# Altium PCB pdb.PcbDoc (part 1 of 3)
Units mm, origin at the board's own origin, x right, y up, seen from the top; angles counter-clockwise.
Board outline 115 x 96 mm, 4 copper layers (Top Layer, PGND, +PBAT, Bottom Layer); 275 components, 205 nets, 915 pads, 468 vias.
Unrouted connection lines stored in the file: 88.
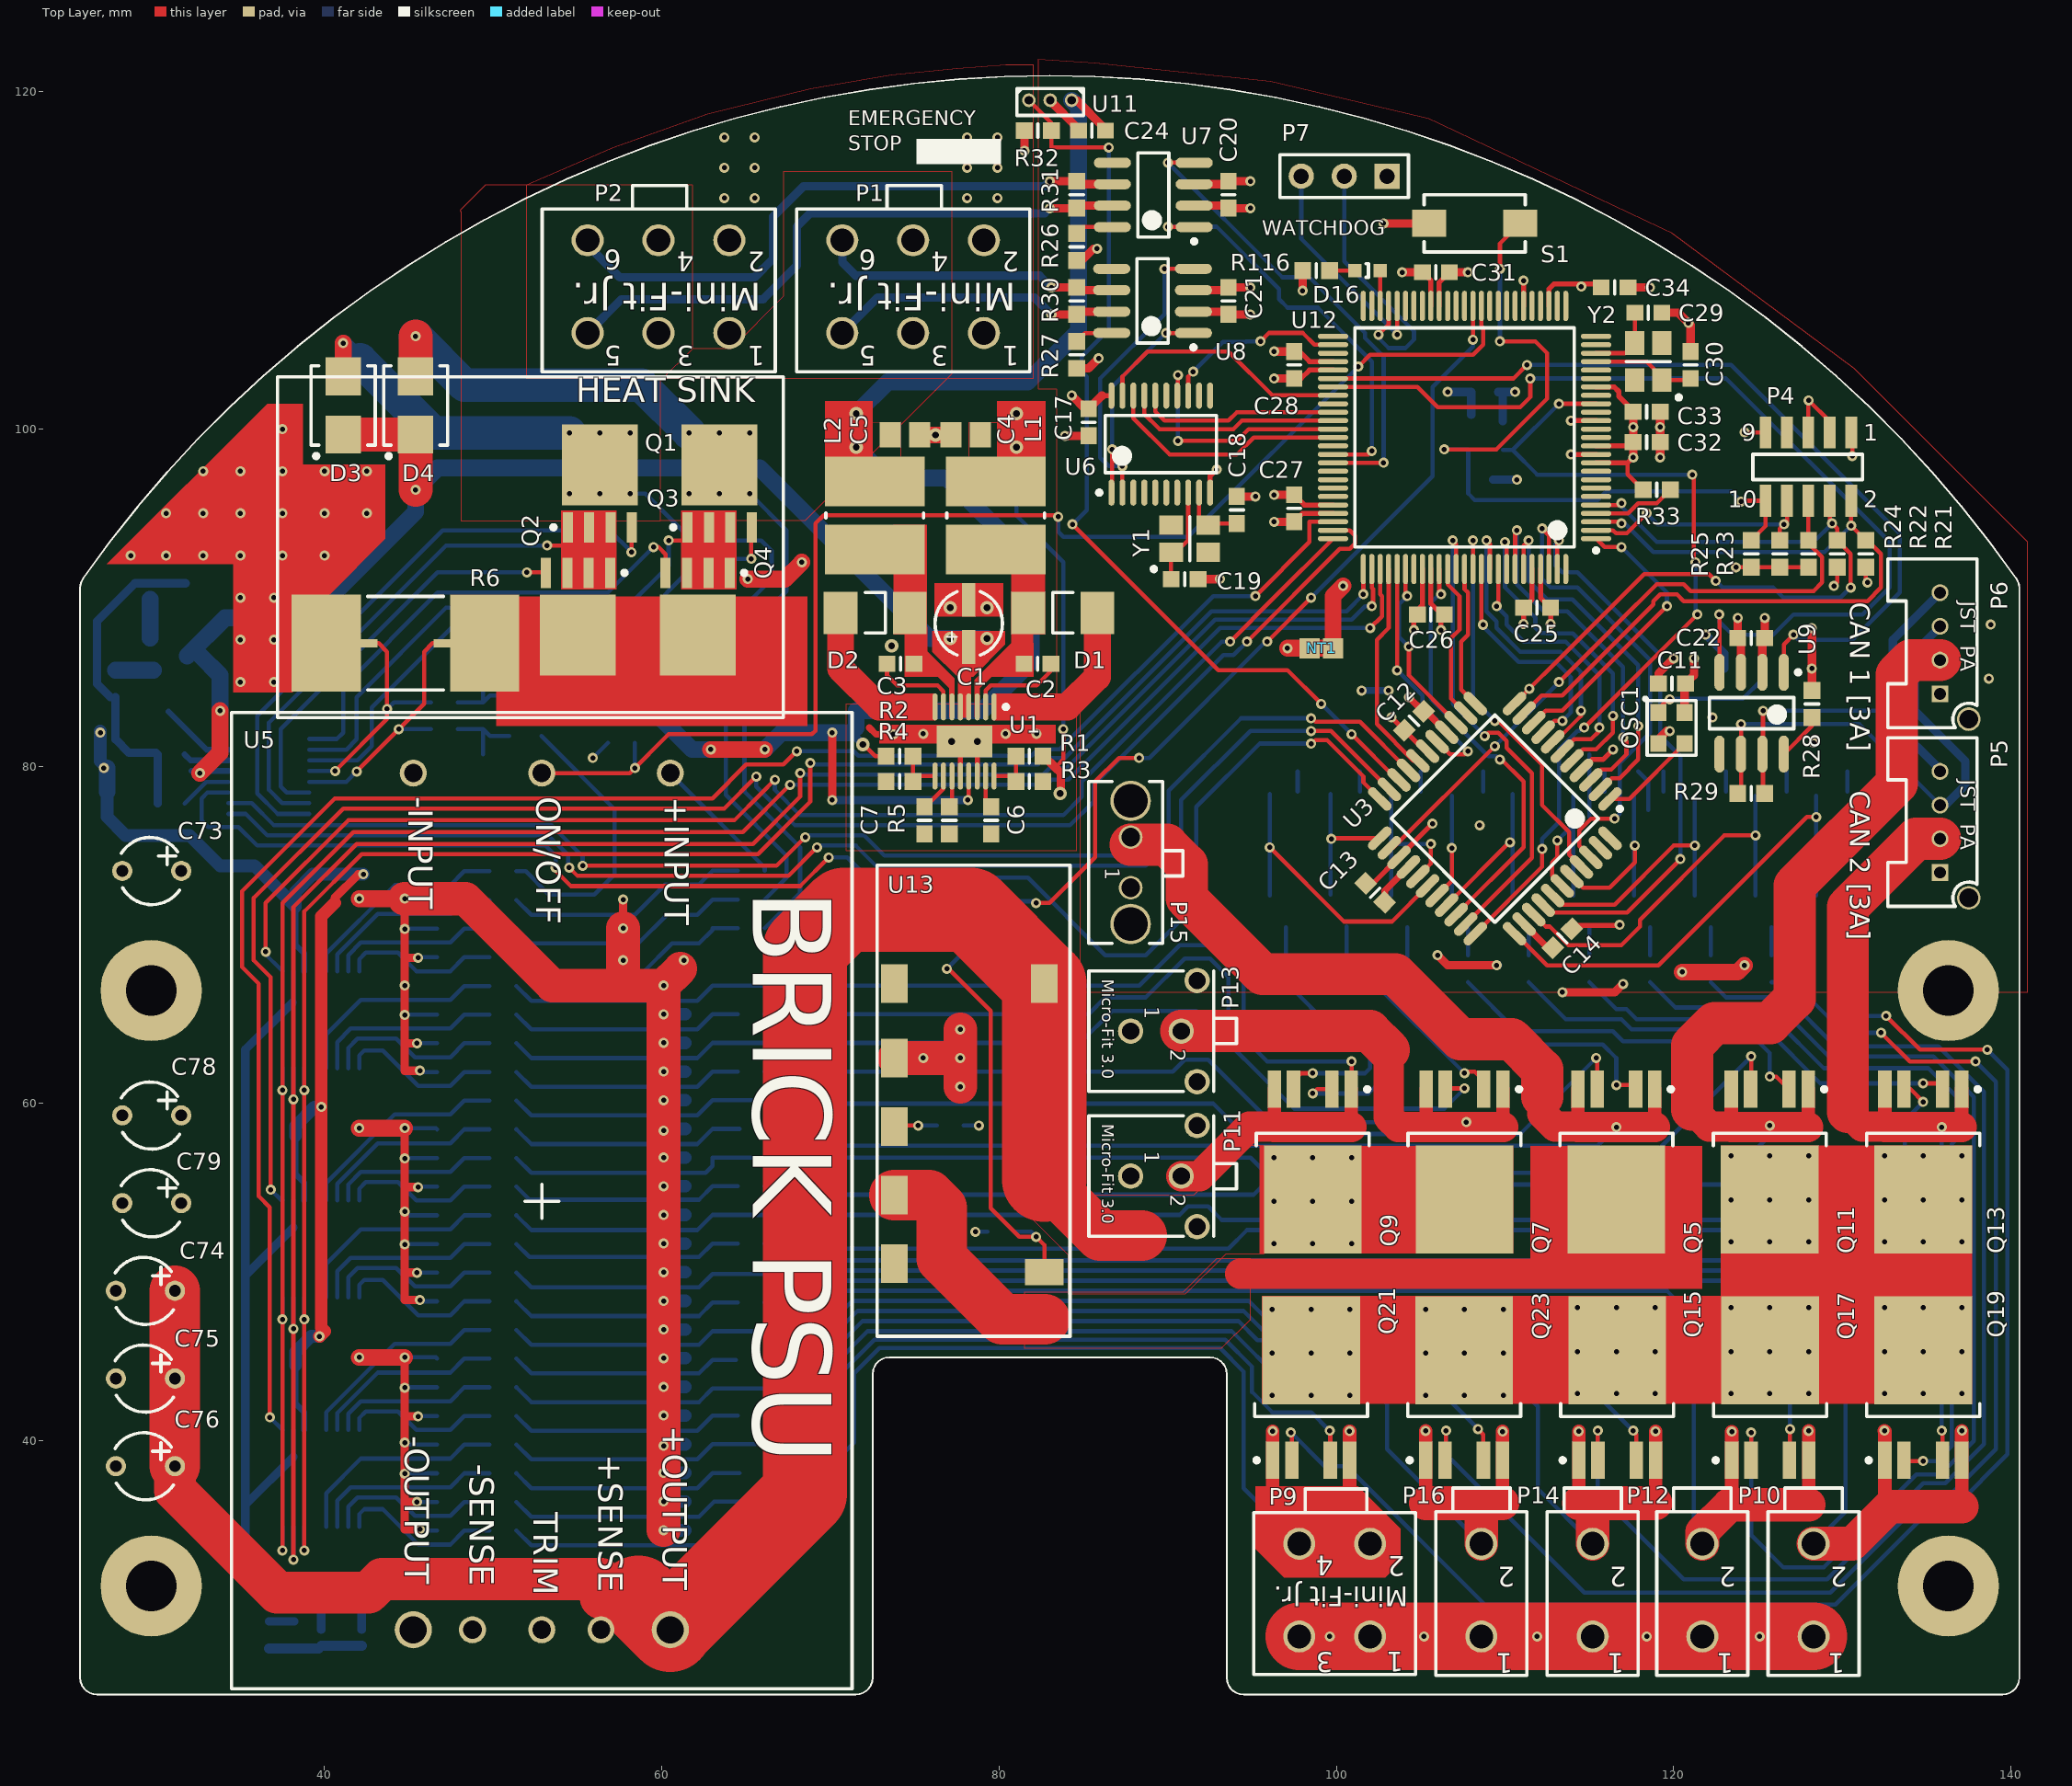
[diagram p0: Top Layer view]
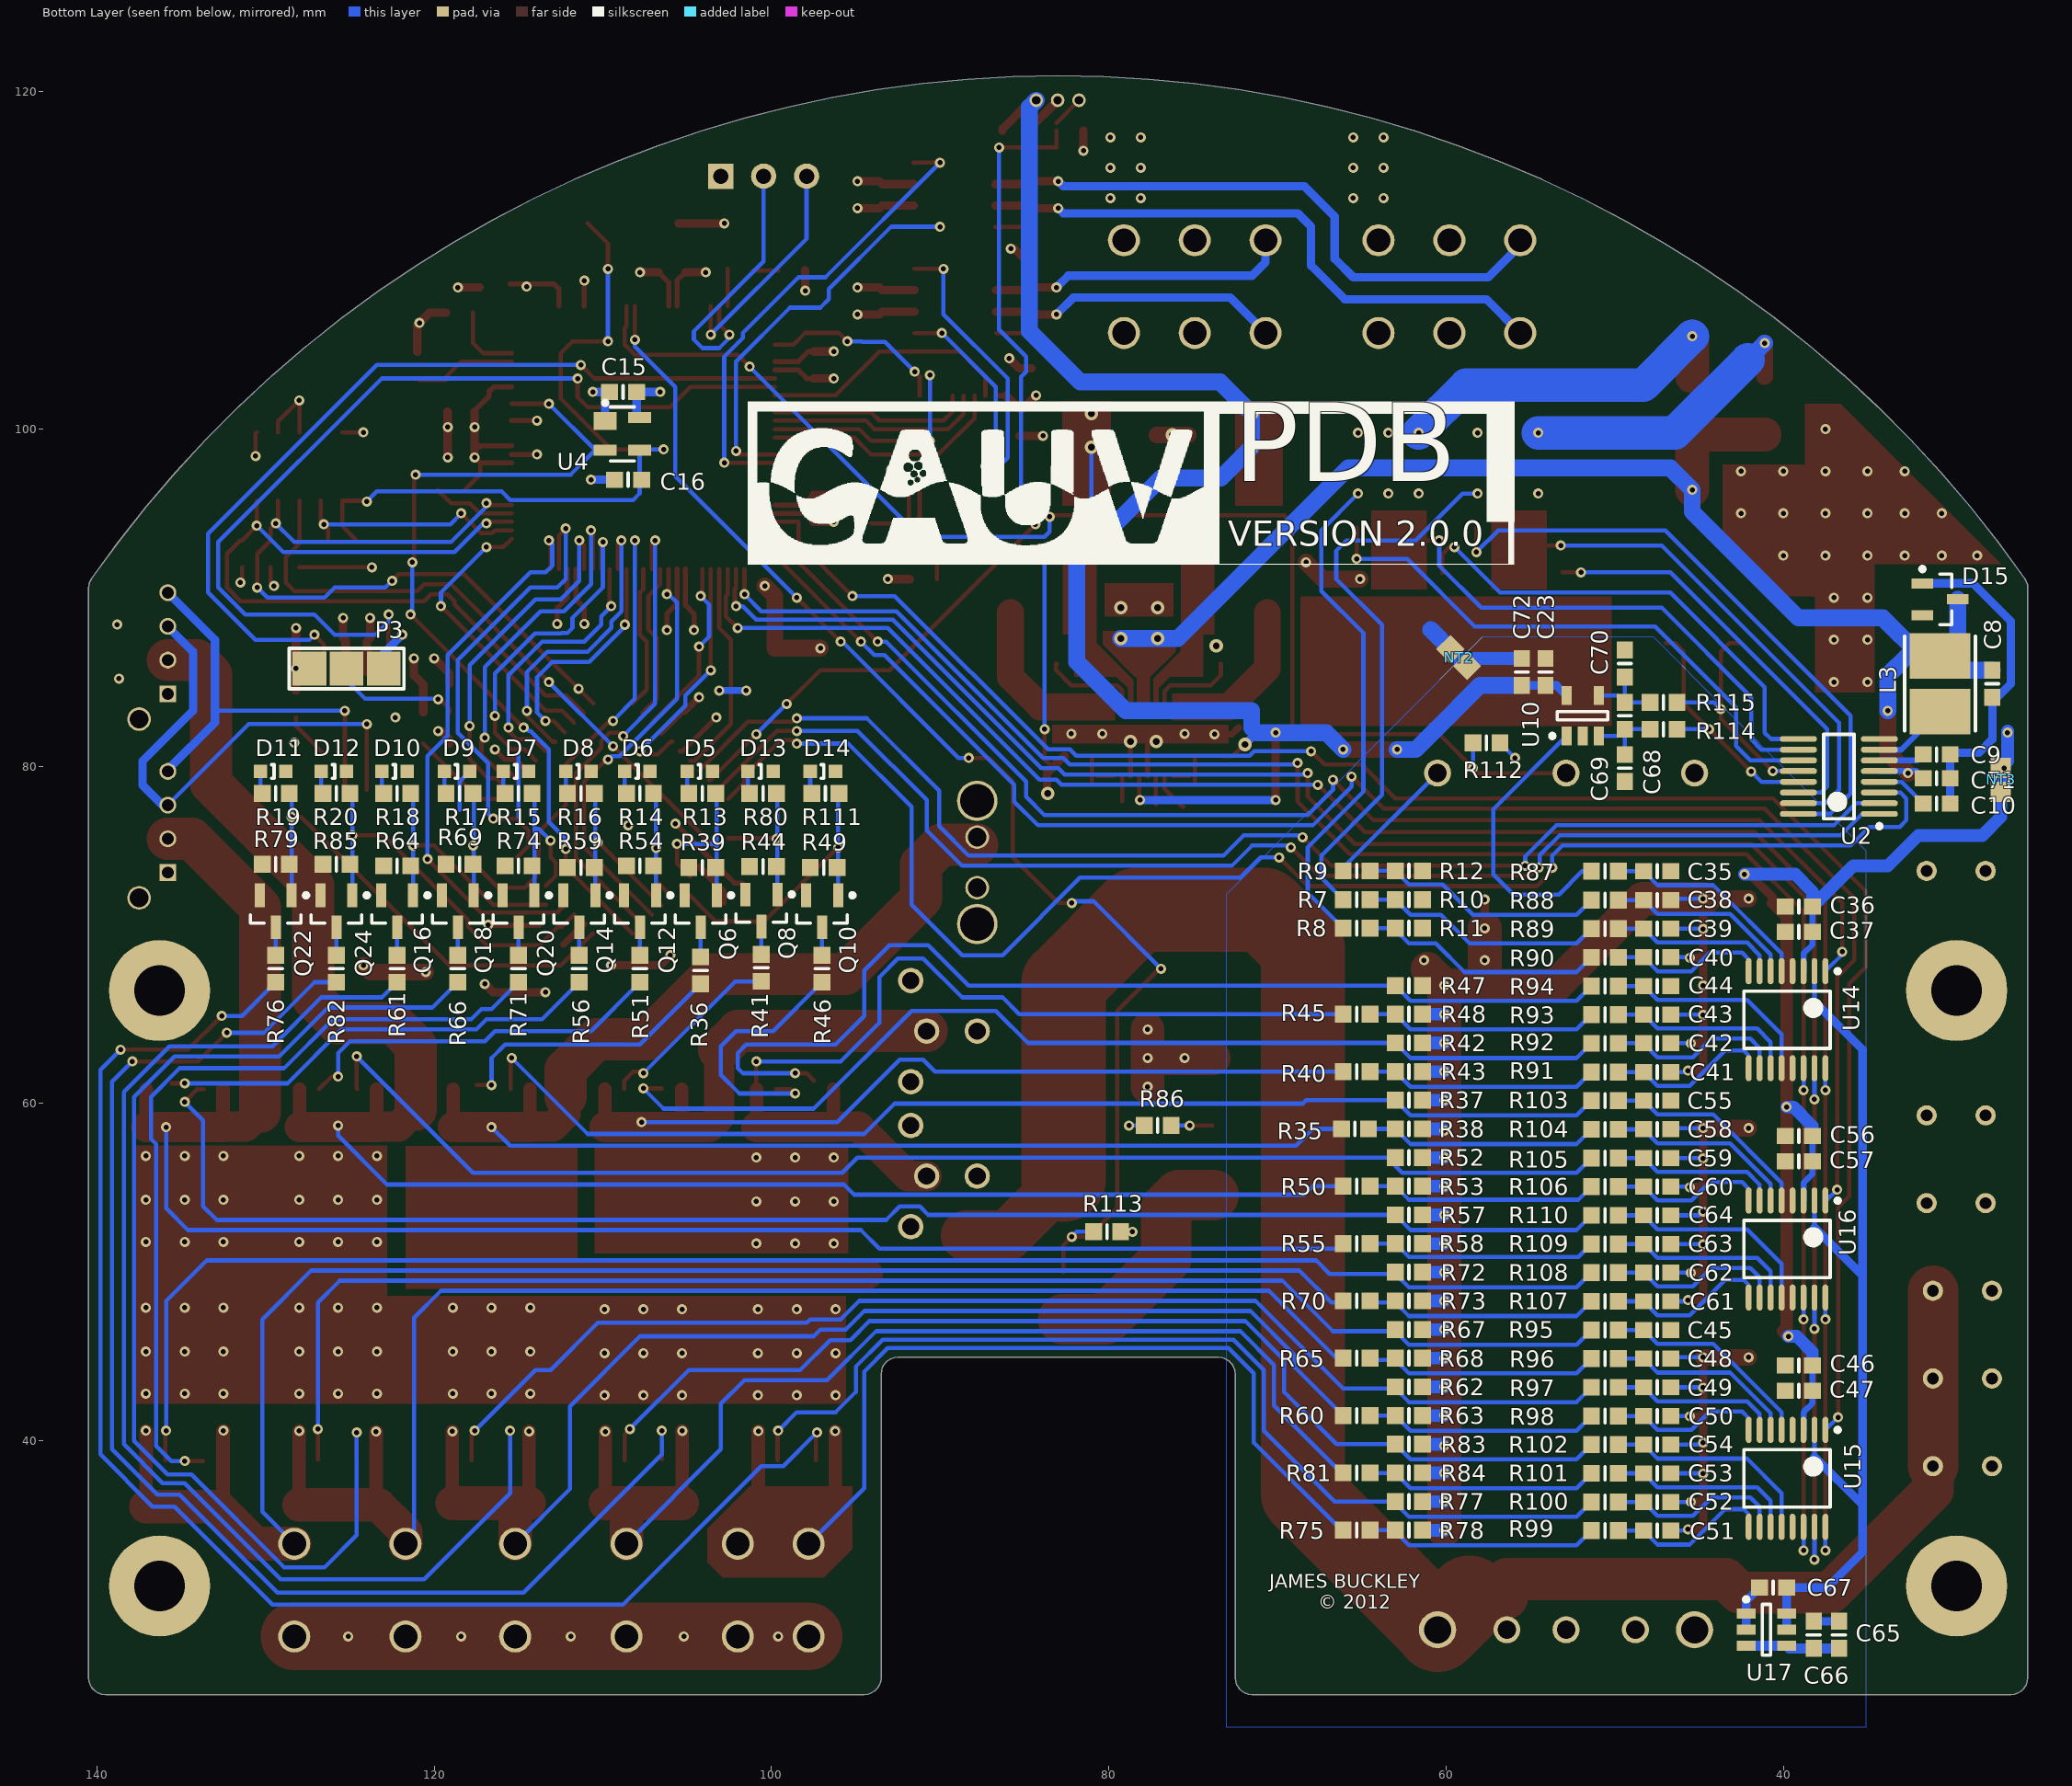
[diagram p1: Bottom Layer view, seen from below]
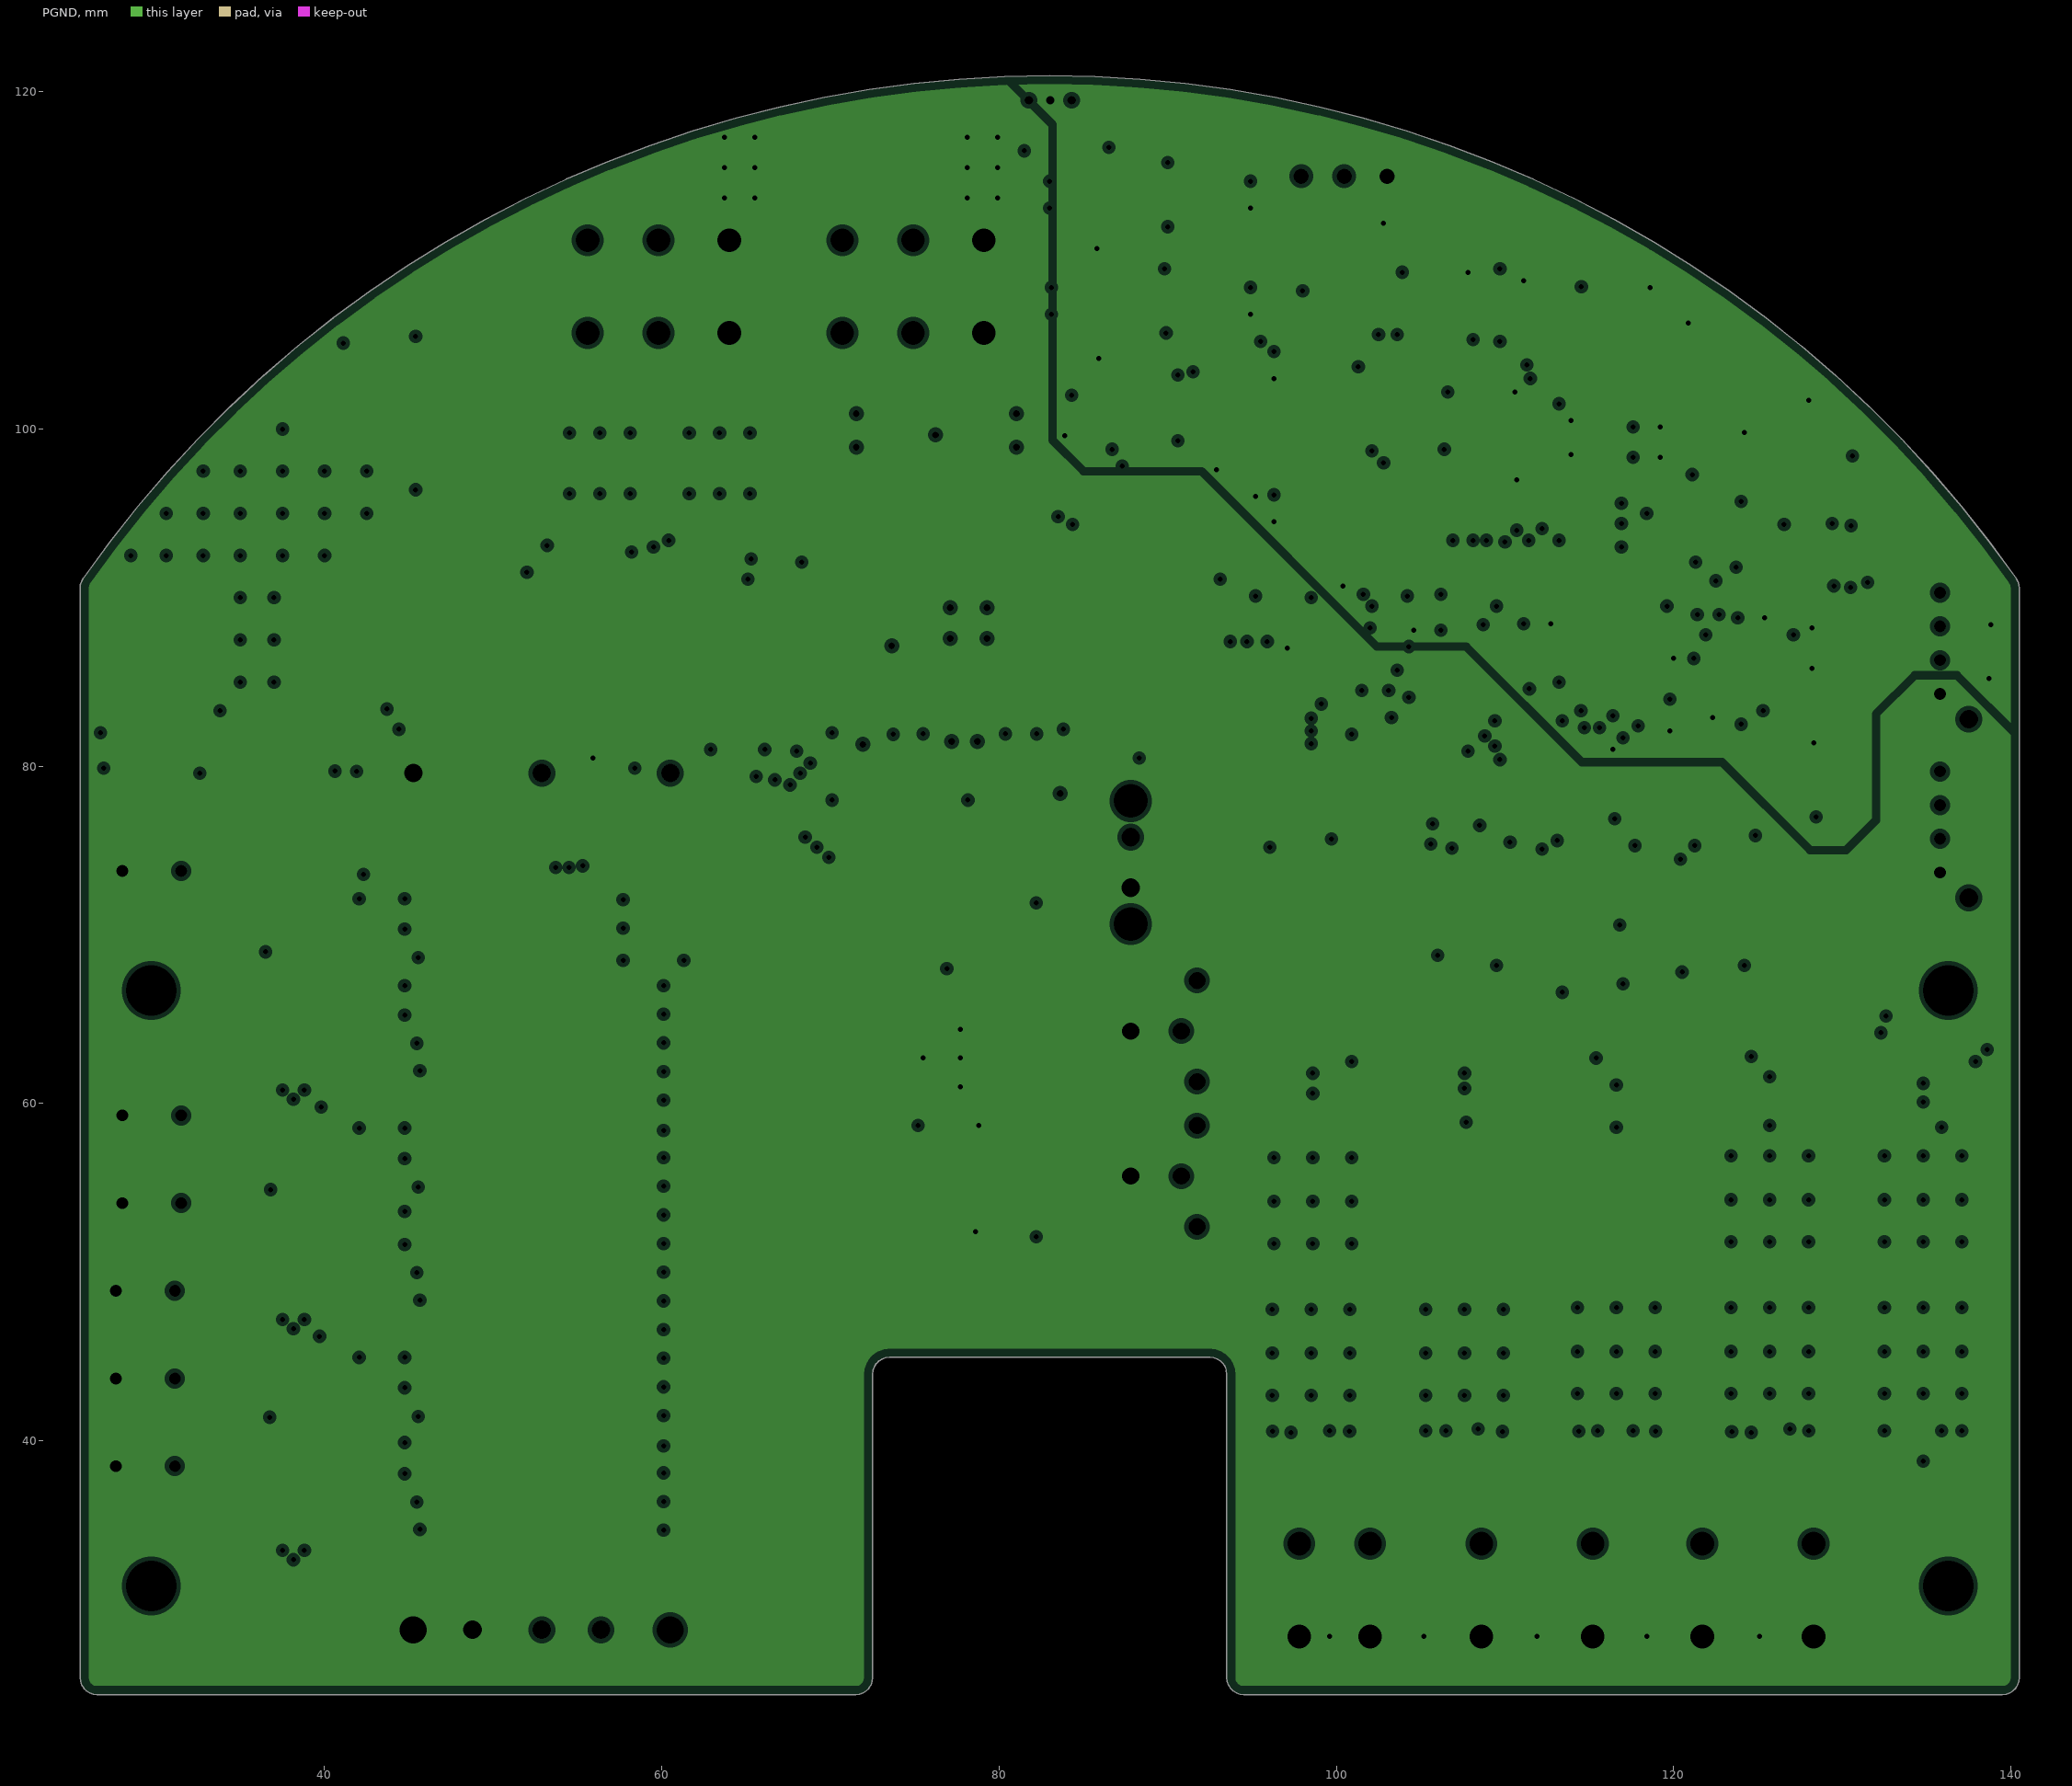
[diagram p2: PGND, clearances drawn from the general rule]
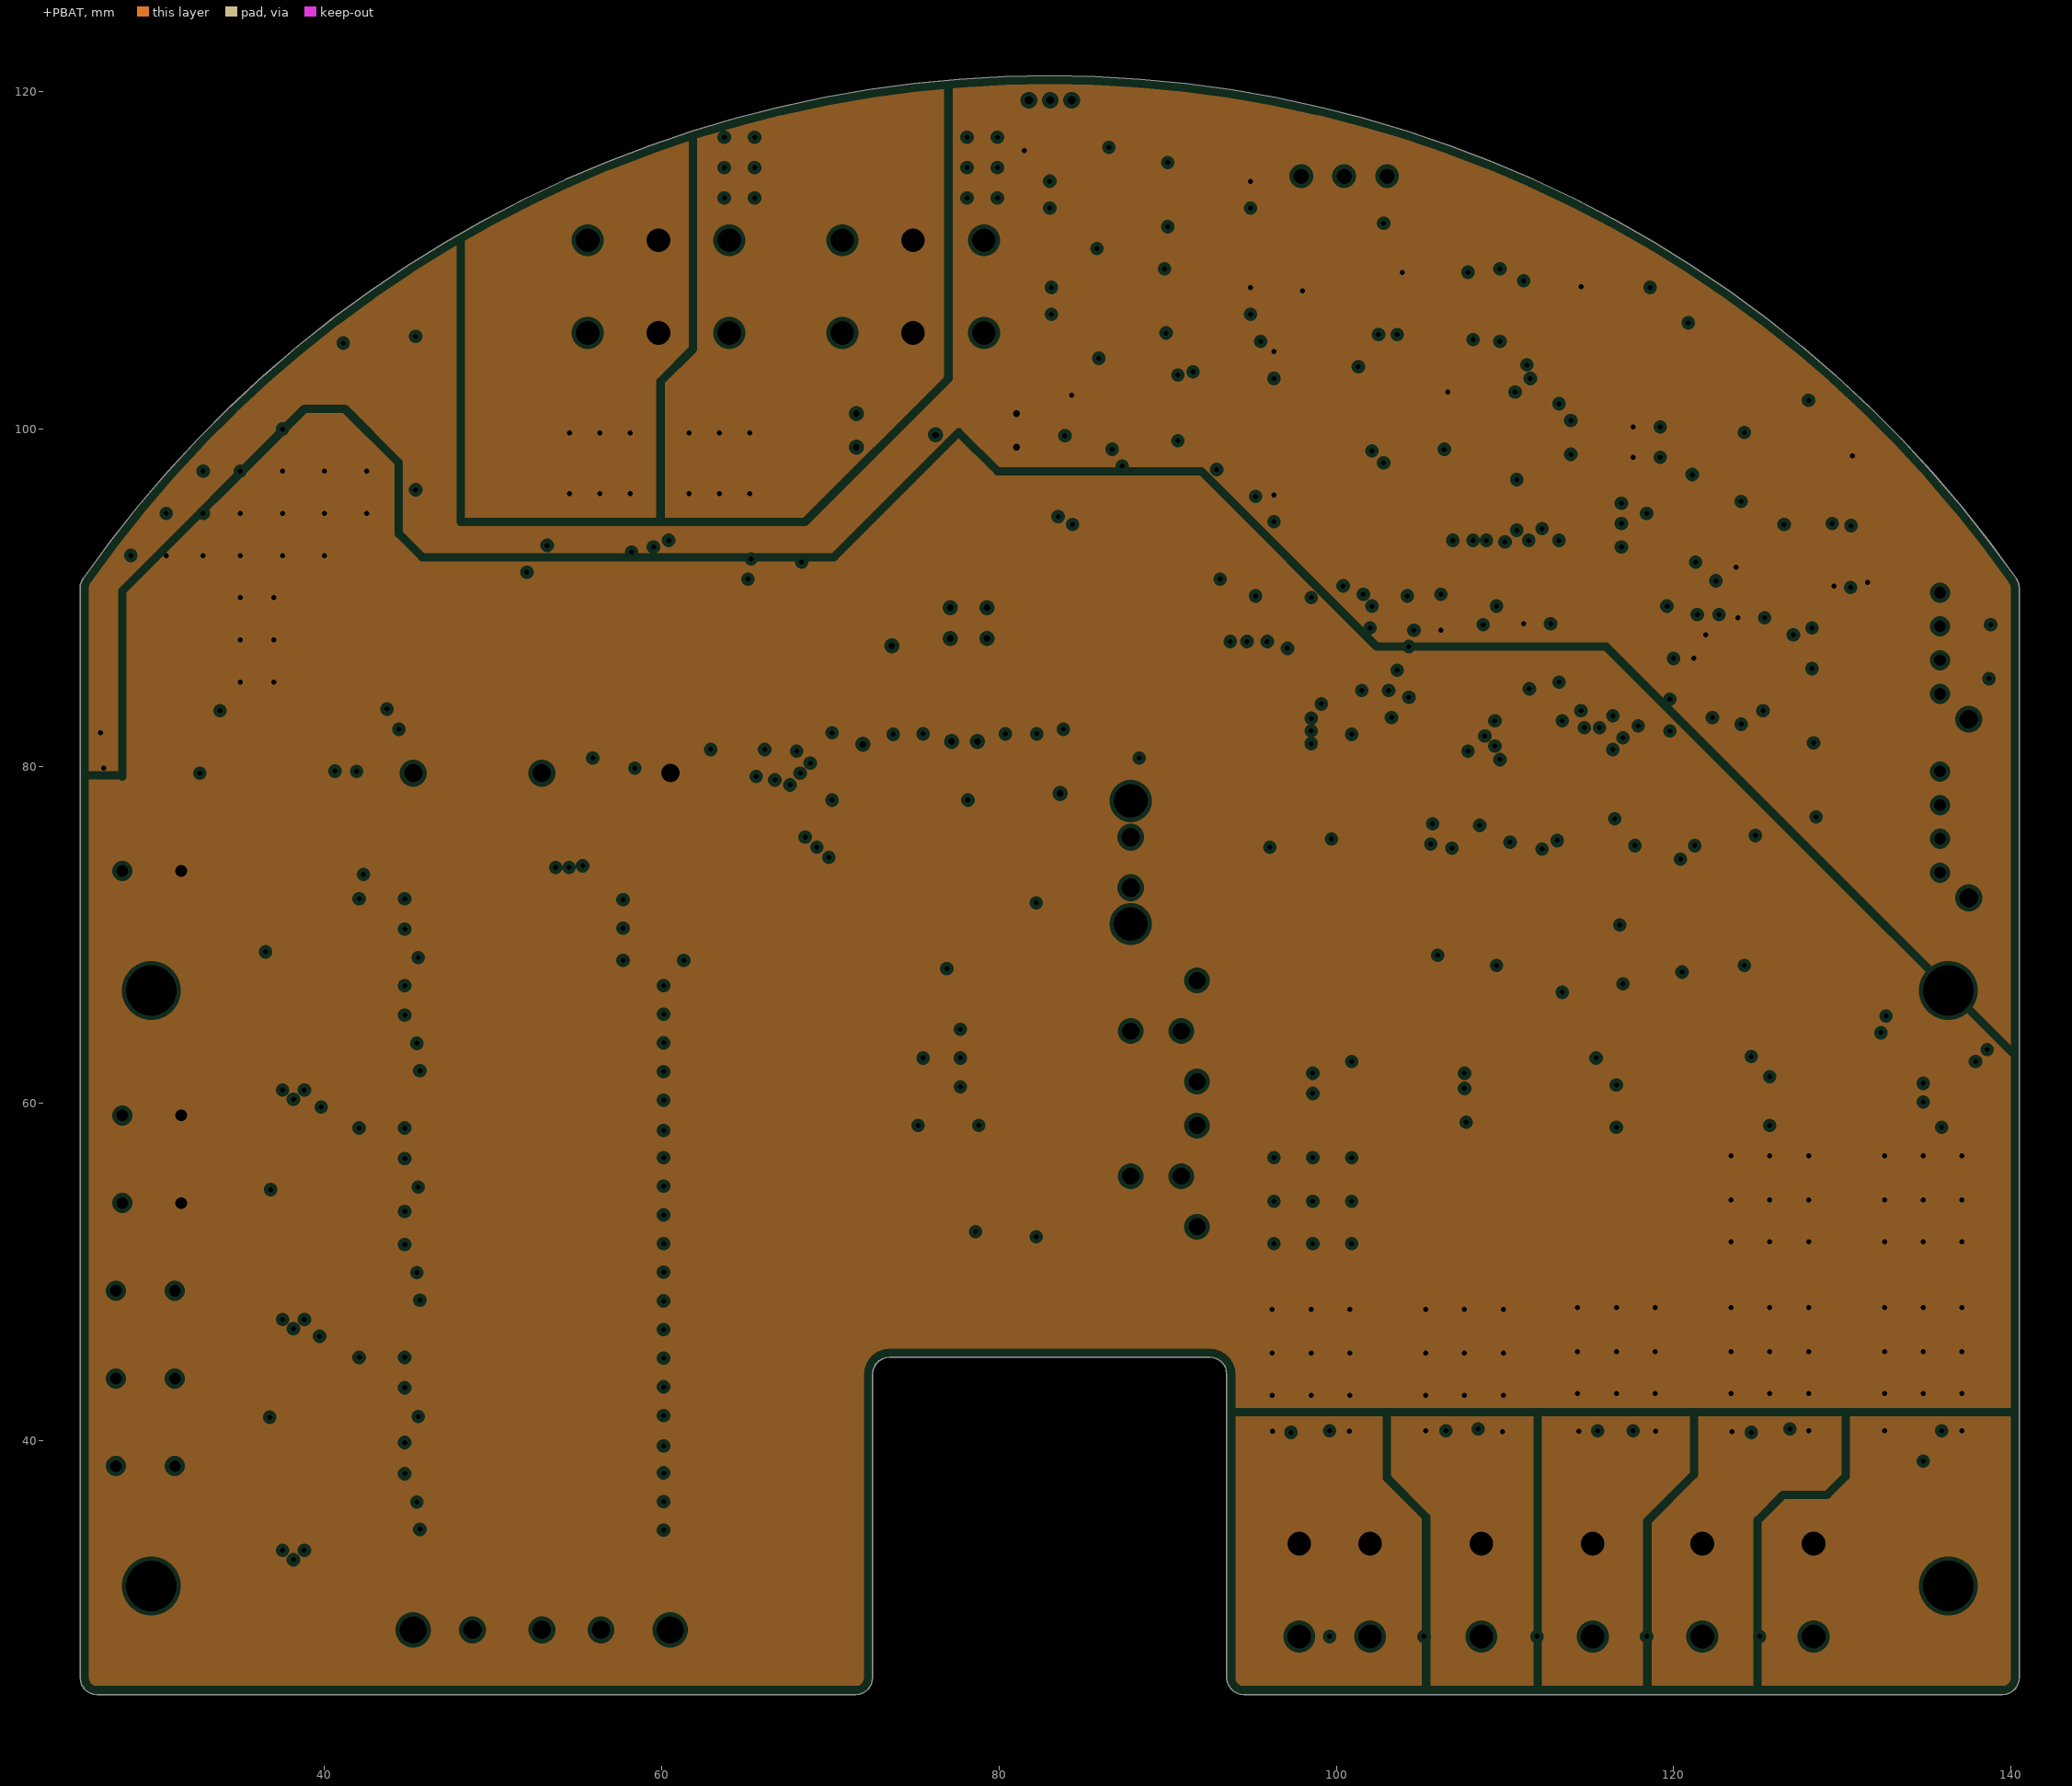
[diagram p3: +PBAT, clearances drawn from the general rule]

## Layer stack, top to bottom
Top Layer: signal copper 0.0356
Dielectric: core 0.32, FR-4, Dk 4.8
PGND: plane copper 0.0356, net (Multiple Nets)
Dielectric: prepreg 0.32, FR-4, Dk 4.8
+PBAT: plane copper 0.0356, net (Multiple Nets)
Dielectric: core 0.32, FR-4, Dk 4.8
Bottom Layer: signal copper 0.0356

## Board outline
140.5,25.956 140.5,90.564 140.479,90.766 140.418,90.96 140.319,91.138 138.735,93.307 137.069,95.414 135.324,97.456 133.501,99.429 131.604,101.331 129.636,103.159 127.599,104.91 125.496,106.581 123.33,108.17 121.106,109.676 118.825,111.094 116.491,112.425 114.108,113.664 111.679,114.812 109.208,115.865 106.699,116.823 104.154,117.683 101.579,118.446 98.976,119.109 96.349,119.672 93.703,120.133 91.041,120.493 88.367,120.75 85.686,120.905 83,120.956 80.314,120.905 77.633,120.75 74.959,120.493 72.297,120.133 69.651,119.672 67.024,119.109 64.421,118.446 61.846,117.683 59.301,116.823 56.792,115.865 54.321,114.812 51.892,113.664 49.509,112.425 47.175,111.094 44.894,109.676 42.67,108.17 40.504,106.581 38.401,104.91 36.364,103.159 34.396,101.331 32.499,99.429 30.676,97.456 28.931,95.414 27.265,93.307 25.681,91.138 25.582,90.96 25.521,90.766 25.5,90.564 25.5,25.956 25.525,25.734 25.599,25.522 25.718,25.333 25.876,25.175 26.066,25.055 26.277,24.981 26.5,24.956 71.5,24.956 71.723,24.981 71.934,25.055 72.123,25.174 72.282,25.333 72.401,25.522 72.475,25.734 72.5,25.956 72.5,43.956 72.525,44.179 72.599,44.39 72.718,44.58 72.877,44.738 73.066,44.857 73.277,44.931 73.5,44.956 92.5,44.956 92.723,44.931 92.934,44.857 93.123,44.738 93.282,44.58 93.401,44.39 93.475,44.179 93.5,43.956 93.5,25.956 93.525,25.734 93.599,25.522 93.718,25.333 93.877,25.174 94.066,25.055 94.277,24.981 94.5,24.956 139.5,24.956 139.723,24.981 139.934,25.055 140.123,25.174 140.282,25.333 140.401,25.522 140.475,25.734
